# Altium PCB APP_EMILE.PcbDoc (part 1 of 6) (continued)
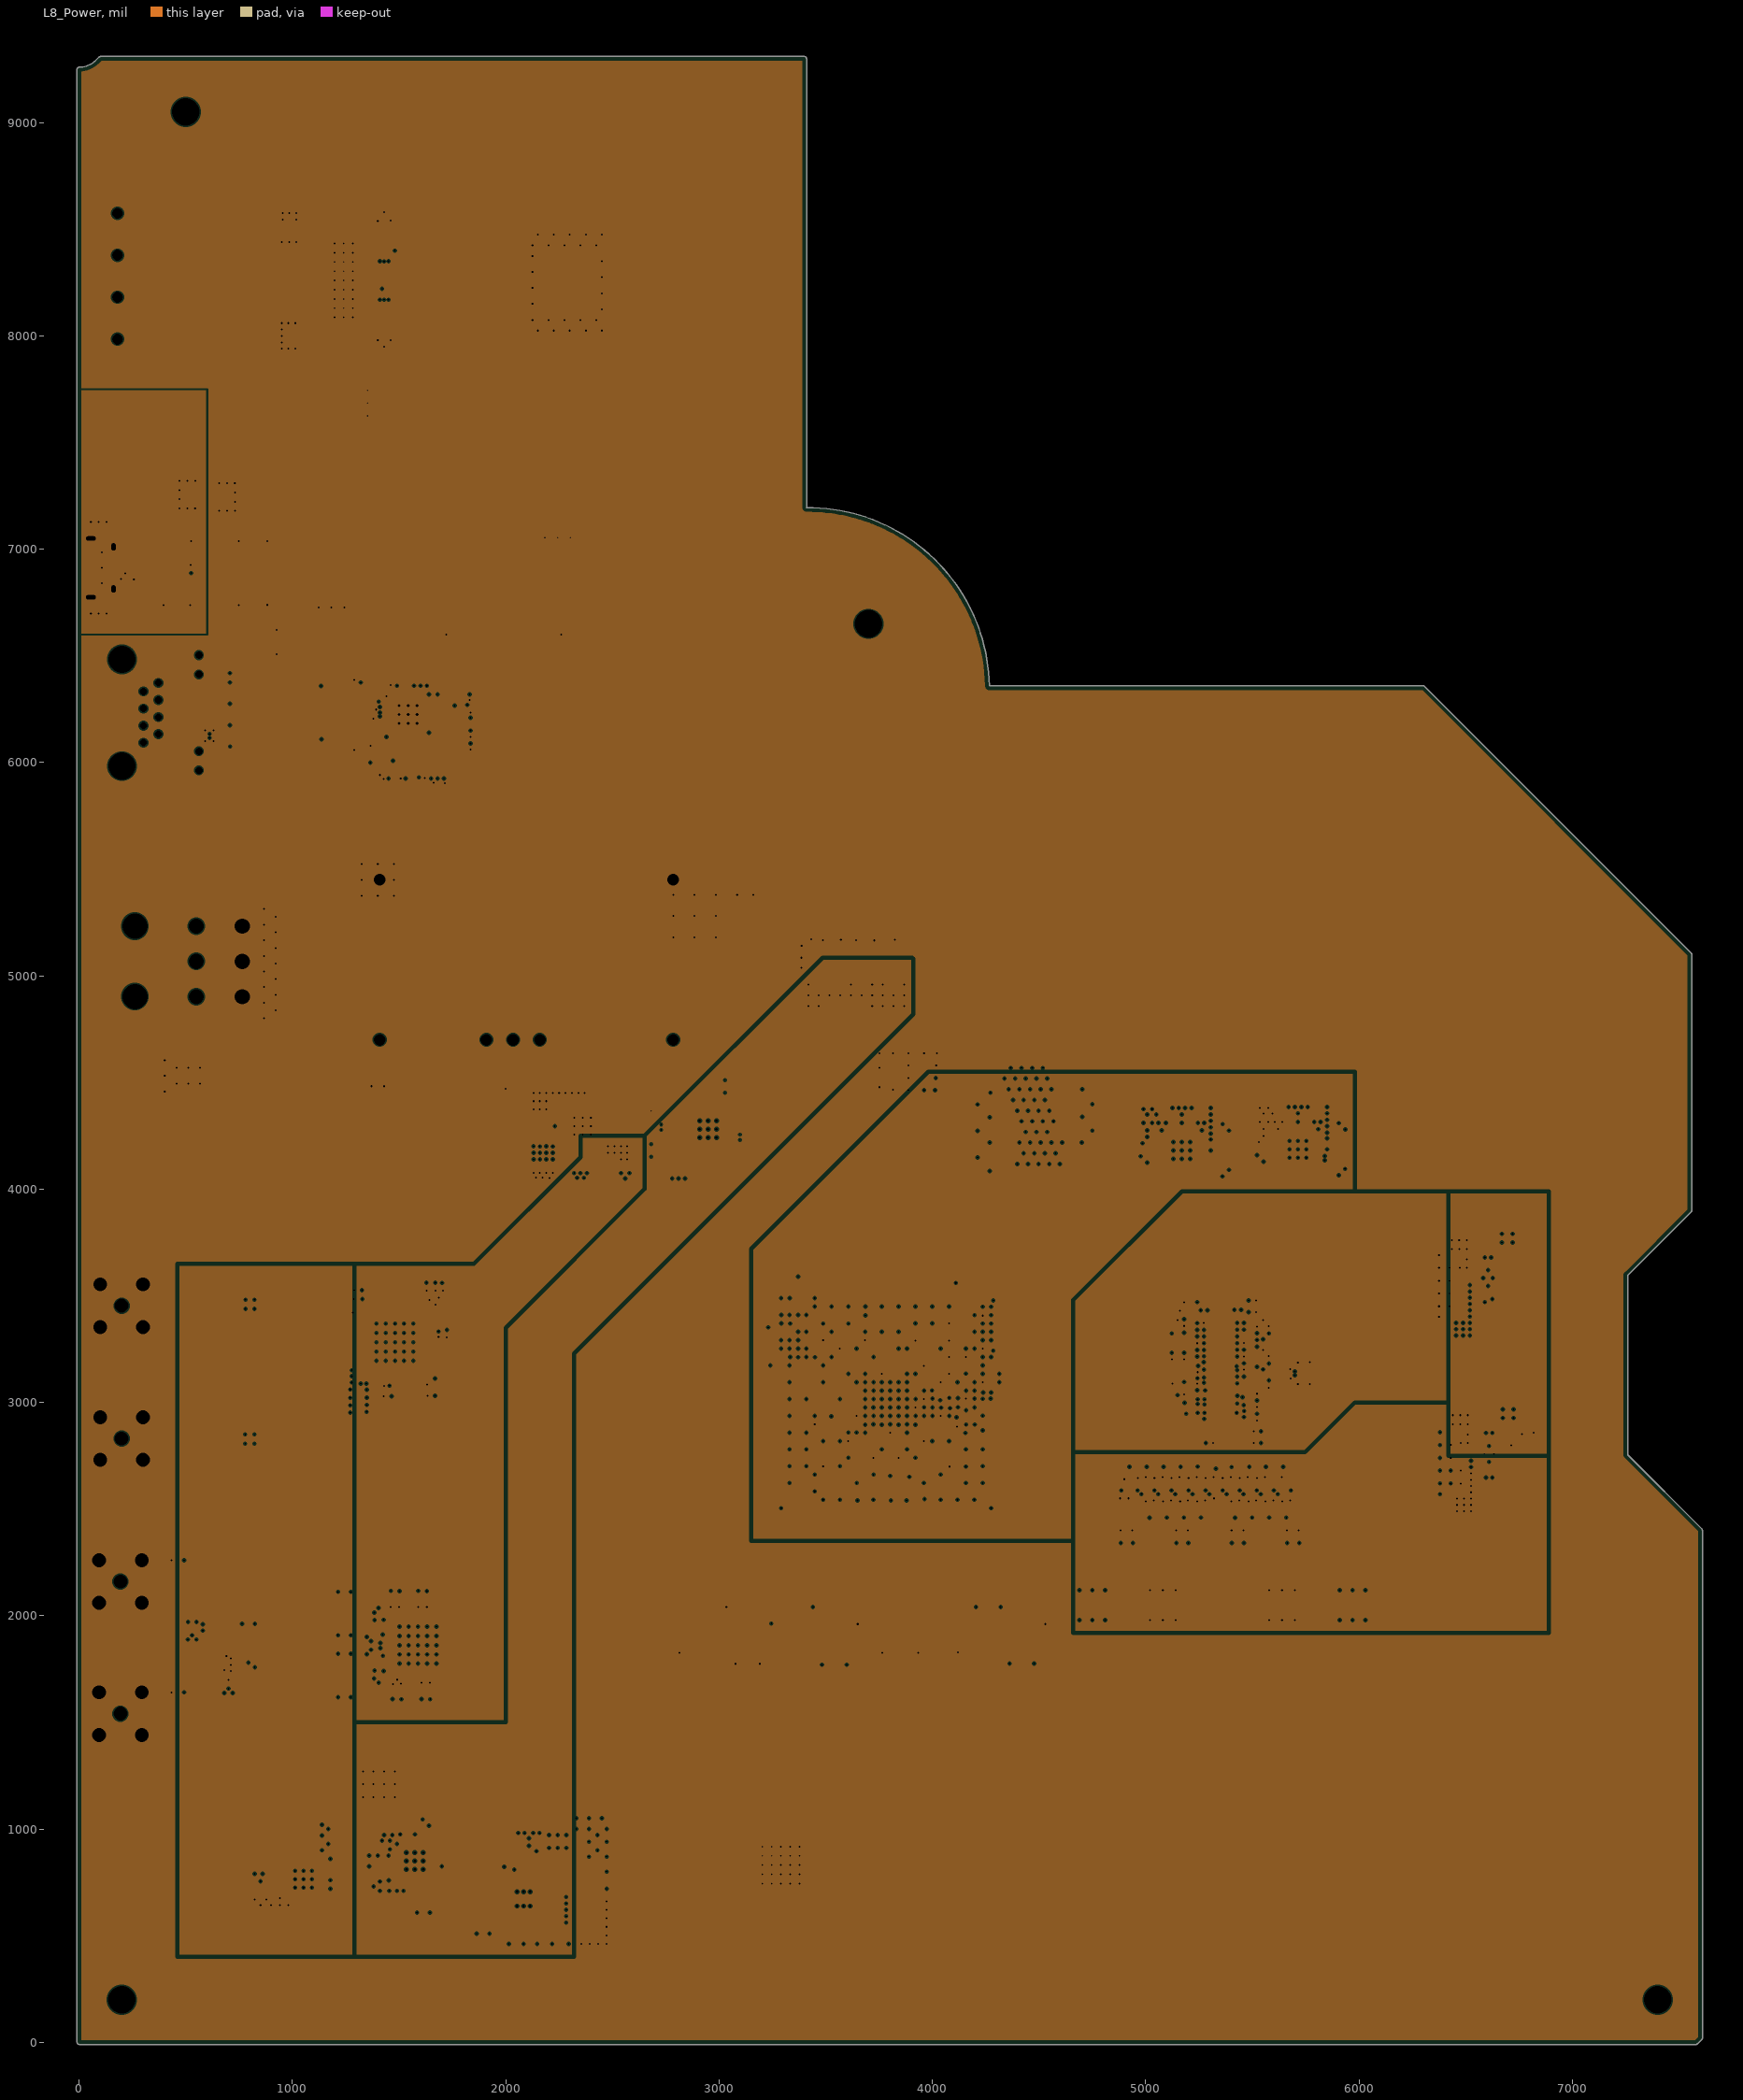
[diagram p8: L8_Power, clearances drawn from the general rule]
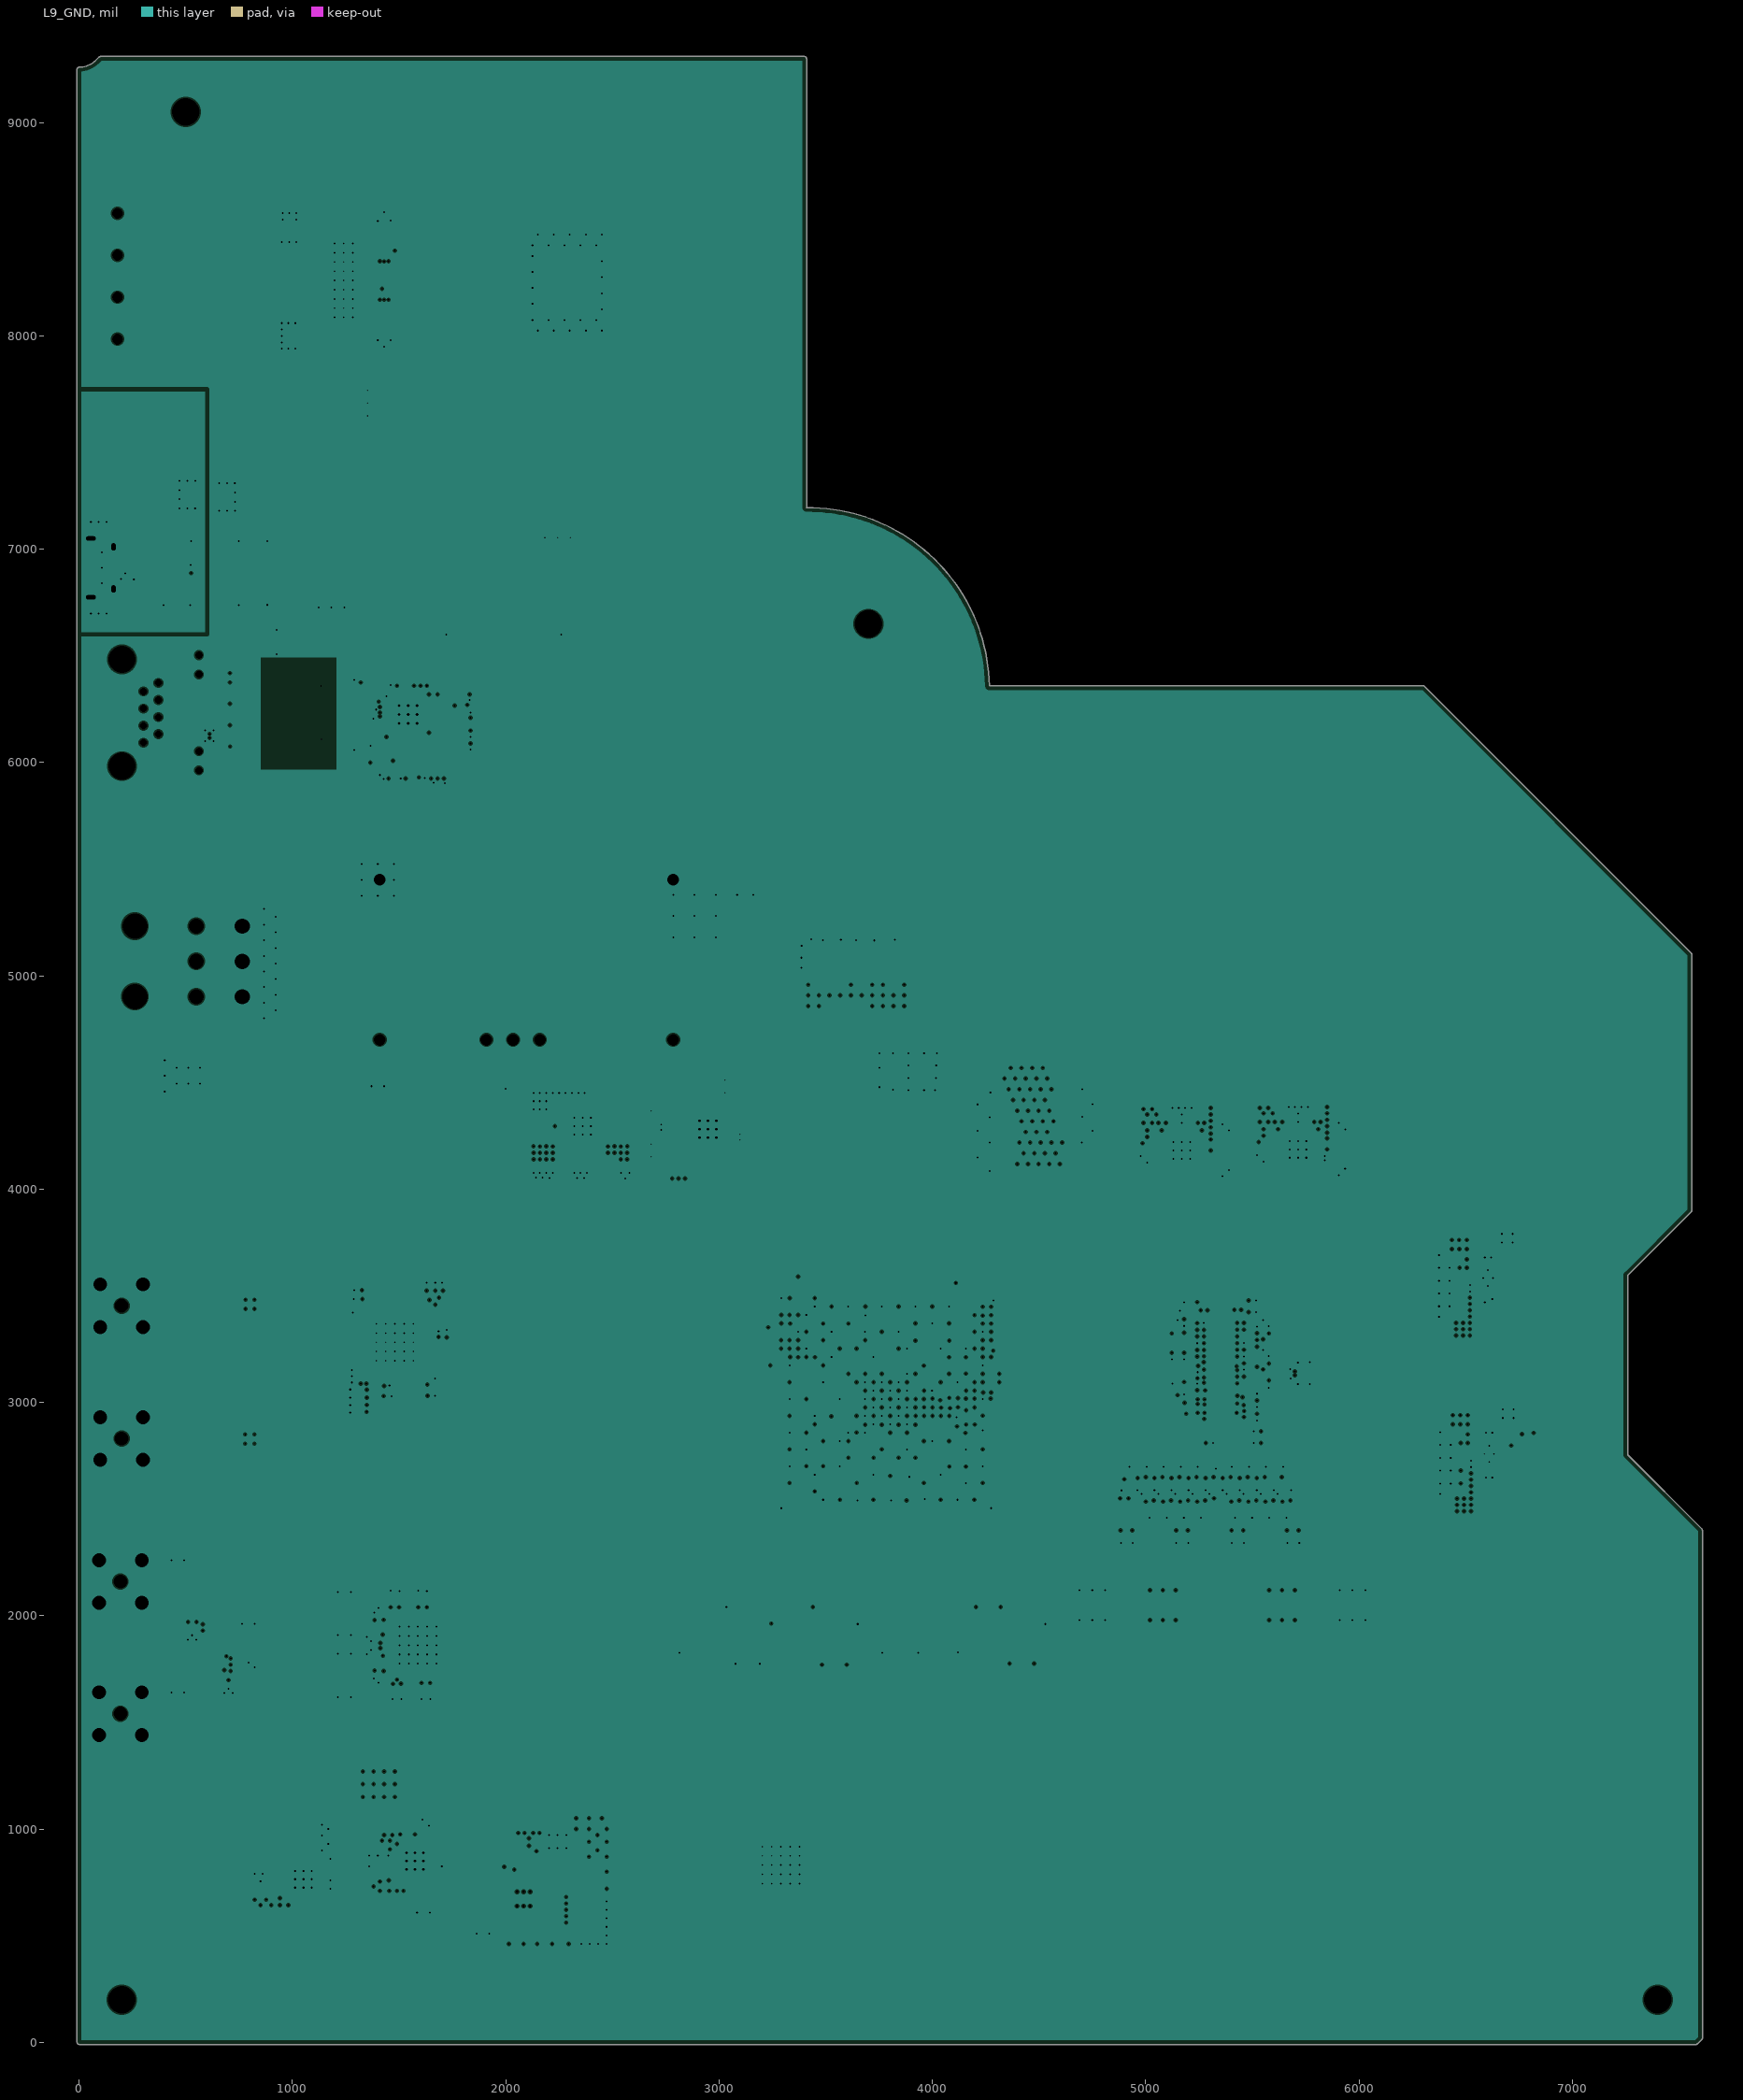
[diagram p9: L9_GND, clearances drawn from the general rule]
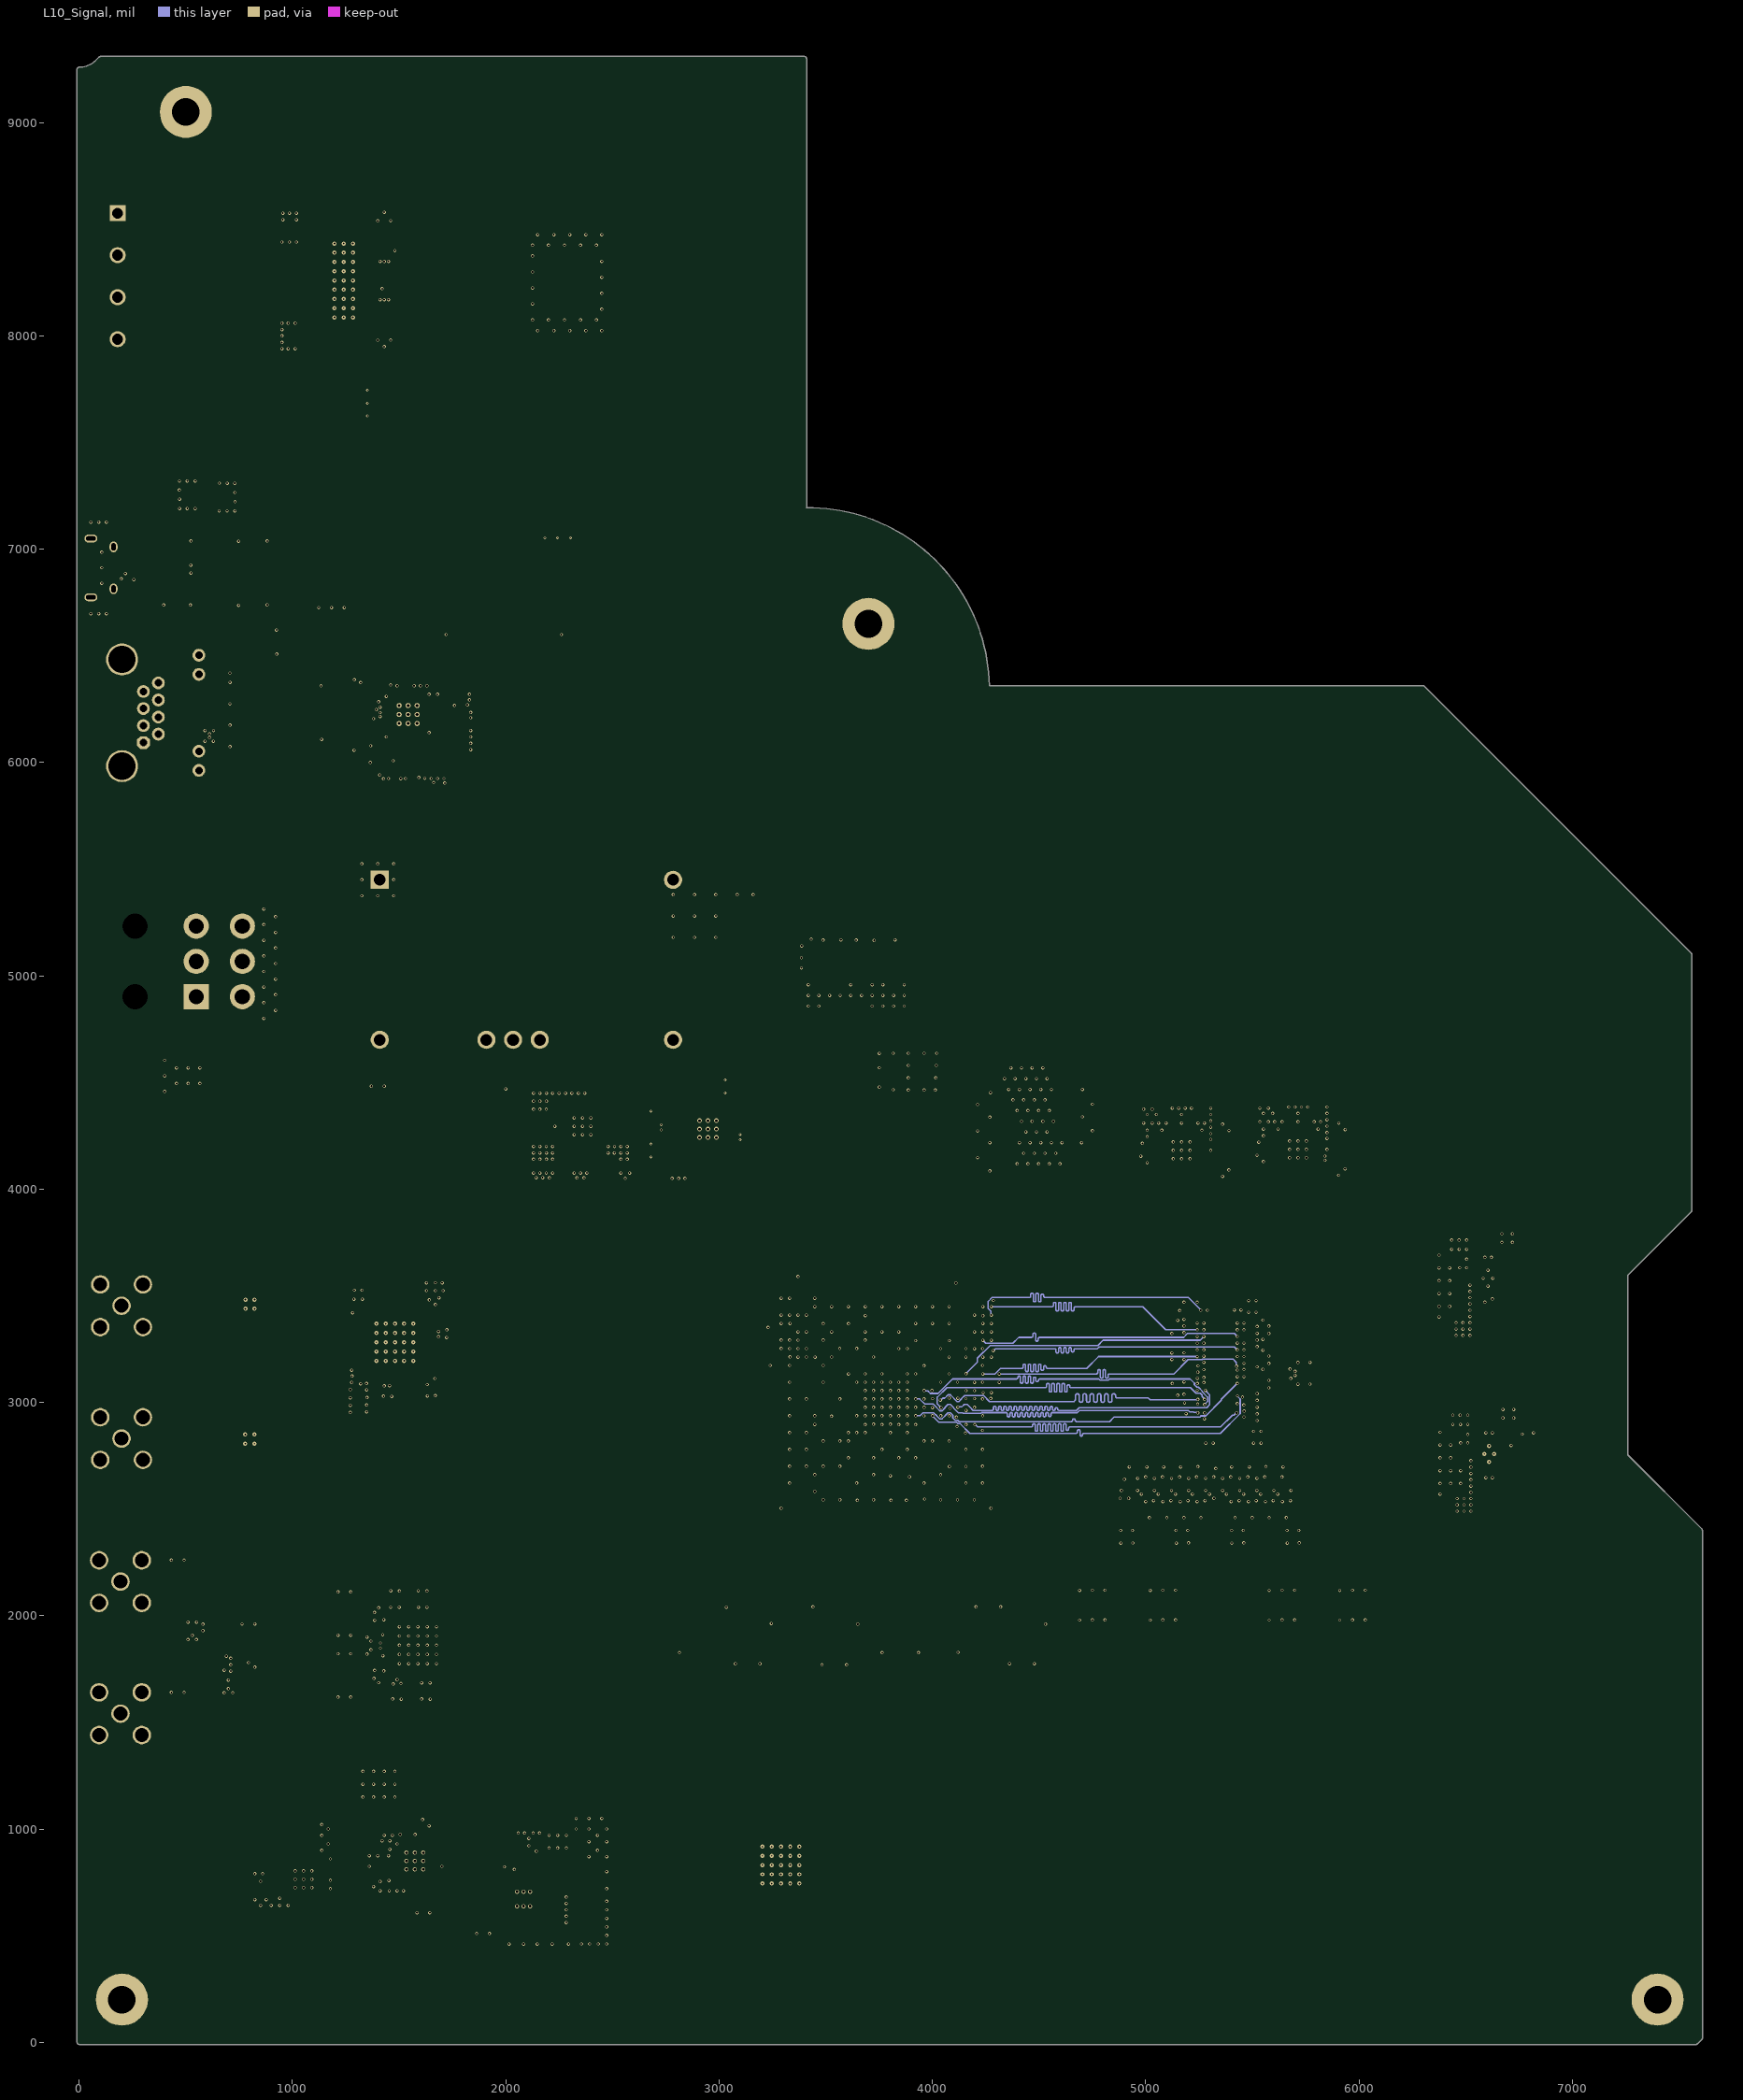
[diagram p10: L10_Signal]
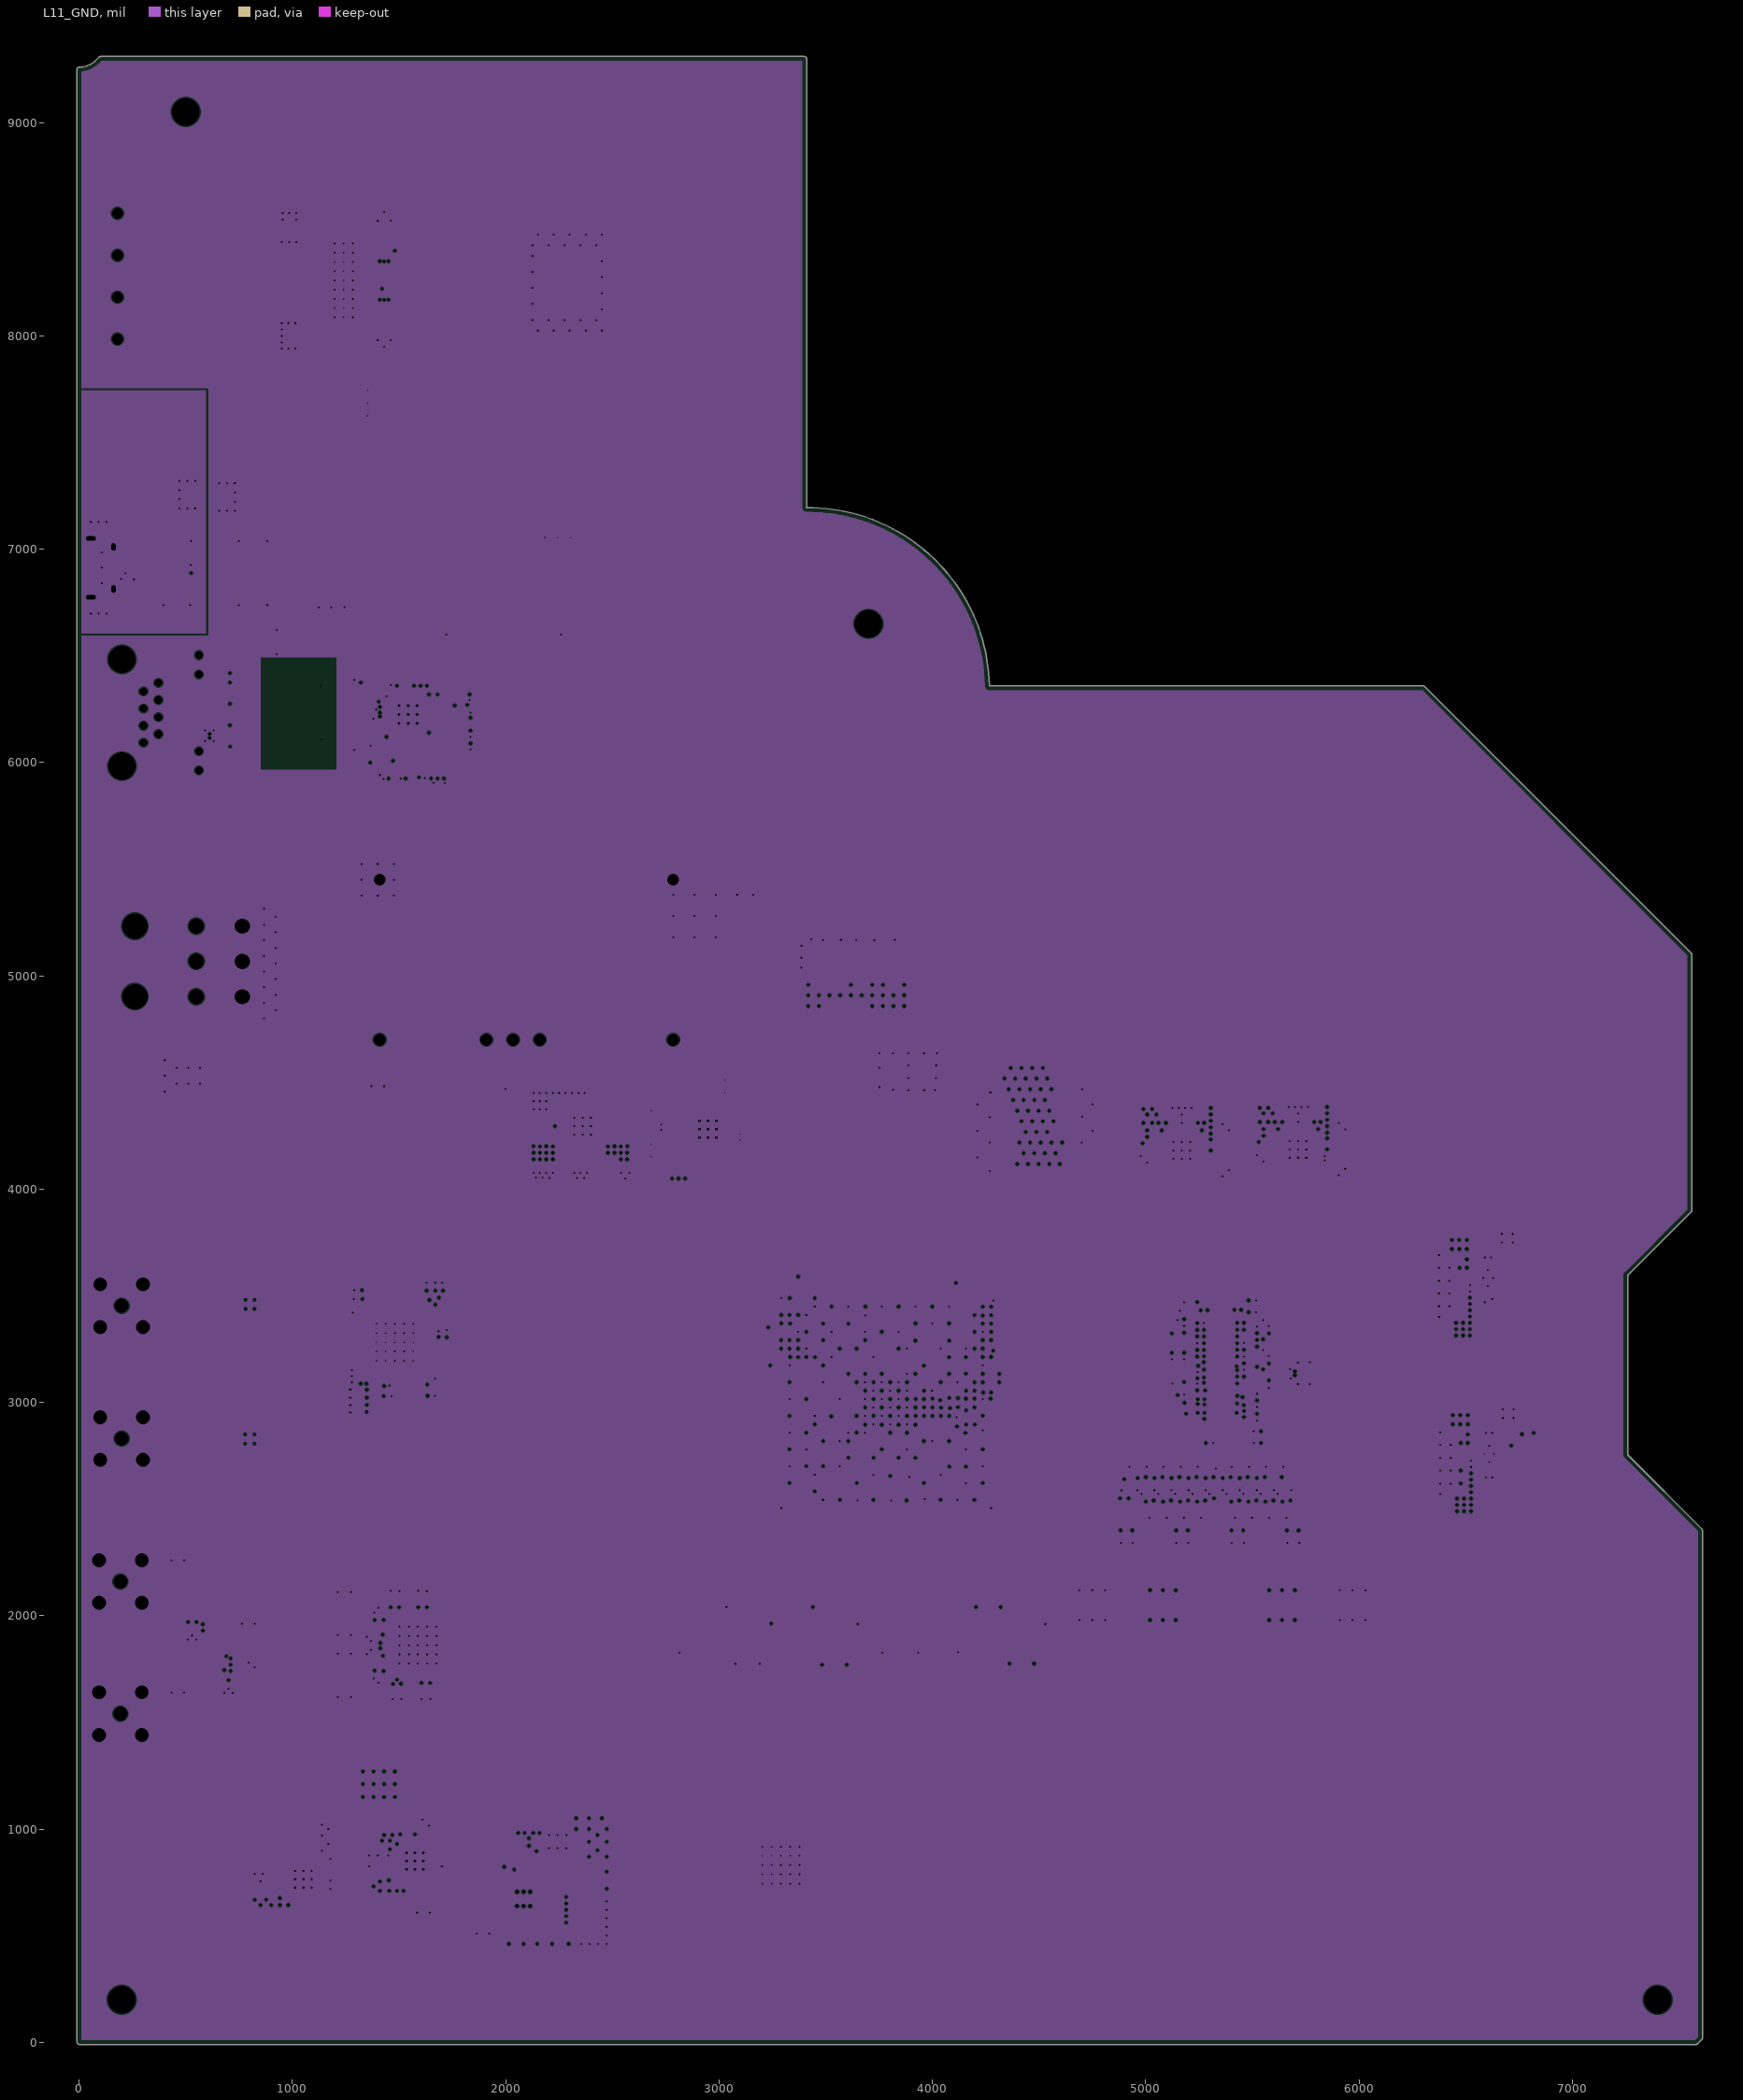
[diagram p11: L11_GND, clearances drawn from the general rule]

## Layer stack, top to bottom
Top Solder: solder mask 0.4, Solder Resist, Dk 3.5
L1_Signal: signal copper 0.689
Dielectric 10: prepreg 6, PP-006, Dk 4.6
L2_GND: plane copper 0.689, net (Multiple Nets)
Dielectric 2: core 6, PP-006, Dk 4.6
L3_Signal: signal copper 0.689
Dielectric 6: prepreg 6, PP-006, Dk 4.6
L4_GND: plane copper 0.689, net (Multiple Nets)
Dielectric 8: core 6, PP-006, Dk 4.6
L5_Power: plane copper 0.689, net (Multiple Nets)
Dielectric 4: prepreg 6, PP-006, Dk 4.6
L6_GND: plane copper 0.689, net (Multiple Nets)
Dielectric 1: core 6, FR-4, Dk 4.6
L7_GND: plane copper 0.689, net (Multiple Nets)
Dielectric 5: prepreg 6, PP-006, Dk 4.6
L8_Power: plane copper 0.689, net (Multiple Nets)
Dielectric 9: core 6, PP-006, Dk 4.6
L9_GND: plane copper 0.689, net (Multiple Nets)
Dielectric 7: prepreg 6, PP-006, Dk 4.6
L10_Signal: signal copper 0.689
Dielectric 3: core 6, PP-006, Dk 4.6
L11_GND: plane copper 0.689, net (Multiple Nets)
Dielectric 11: prepreg 6, PP-006, Dk 4.6
L12_Signal: signal copper 0.689
Bottom Solder: solder mask 0.4, Solder Resist, Dk 3.5

## Board outline
-10.01,0 ccw(c0,0) 0,-10.01 7580,-10.01 ccw(c7580,0) 7587.08,-7.08 7607.08,12.92 ccw(c7600,20) 7610.02,20 7610.02,2400 ccw(c7600,2400) 7607.08,2407.08 7260.02,2754.15 7260.02,3595.85 7557.08,3892.92 ccw(c7550,3900) 7560.02,3900 7560.02,5100 ccw(c7550,5100) 7557.08,5107.08 6307.08,6357.08 ccw(c6300,6350) 6300,6360.02 4266.9,6360.02 ccw(c3415.63,6343.6) 3409.92,7195.01 3410.01,7196.41 3410.01,9300 ccw(c3400,9300) 3400,9310.02 100,9310.02 ccw(c100,9300) 92.92,9307.08 78.27,9292.44 cw(c0,9370.71) 0,9260.02 ccw(c0,9250) -10.01,9250

## Design rules (kind name [scope] priority, off if disabled: settings)
Clearance [All] p1: gap=3 ignorepadtopadclearanceinfootprint=FALSE
ComponentClearance [All] p1: gap=4 collisioncheckmode=3 verticalgap=4 showdistances=FALSE
DiffPairsRouting diff_USB [InDifferentialPairClass('USB')] p1: maxlimit=10 minlimit=4 mostfreqgap=10 toplayer_mingap=5 toplayer_maxgap=5 toplayer_prefgap=5 toplayer_minwidth=8.34 toplayer_maxwidth=8.34 toplayer_prefwidth=8.34 bottomlayer_mingap=5 bottomlayer_maxgap=5 bottomlayer_prefgap=5 bottomlayer_minwidth=8.34 bottomlayer_maxwidth=8.34 bottomlayer_prefwidth=8.34 impedanceprofiledriven=TRUE impedanceprofileid={50AFB291-5A7E-4056-A16F-6751C119E0CE} impedanceprofilevalue=90.000000 maxuncoupledlength=500
DiffPairsRouting diff_ETH [InDifferentialPairClass('ETH')] p2: maxlimit=5 minlimit=5 mostfreqgap=5 toplayer_minwidth=6.53 toplayer_maxwidth=6.53 toplayer_prefwidth=6.53 midlayer3_minwidth=2.94 midlayer3_maxwidth=2.94 midlayer3_prefwidth=2.94 midlayer10_minwidth=2.94 midlayer10_maxwidth=2.94 midlayer10_prefwidth=2.94 bottomlayer_minwidth=6.53 bottomlayer_maxwidth=6.53 bottomlayer_prefwidth=6.53 impedanceprofiledriven=TRUE impedanceprofileid={879D8725-AB5A-4F30-8401-D49E7EC4A728} impedanceprofilevalue=100.000000 maxuncoupledlength=500
DiffPairsRouting Diff_Bottom [OnLayer('Bottom')] p3: maxlimit=10 minlimit=4 mostfreqgap=10 toplayer_minwidth=15 toplayer_maxwidth=15 toplayer_prefwidth=15 midlayer3_minwidth=15 midlayer3_maxwidth=15 midlayer3_prefwidth=15 midlayer10_minwidth=15 midlayer10_maxwidth=15 midlayer10_prefwidth=15 bottomlayer_minwidth=4 bottomlayer_maxwidth=4 bottomlayer_prefwidth=4 impedanceprofiledriven=TRUE maxuncoupledlength=500
DiffPairsRouting Diff_Internal_80 [OnLayer('Signal 40 1')] p4: maxlimit=10 minlimit=4 mostfreqgap=10 toplayer_minwidth=15 toplayer_maxwidth=15 toplayer_prefwidth=15 midlayer3_minwidth=15 midlayer3_maxwidth=15 midlayer3_prefwidth=15 midlayer10_minwidth=15 midlayer10_maxwidth=15 midlayer10_prefwidth=15 bottomlayer_minwidth=15 bottomlayer_maxwidth=15 bottomlayer_prefwidth=15 maxuncoupledlength=500
DiffPairsRouting Diff_Internal_80_2 [InNetClass('DDR3_CLK')] p5: maxlimit=5 minlimit=5 mostfreqgap=5 midlayer3_minwidth=4 midlayer3_maxwidth=5.38 midlayer3_prefwidth=5.38 midlayer10_minwidth=4 midlayer10_maxwidth=5.38 midlayer10_prefwidth=5.38 impedanceprofiledriven=TRUE impedanceprofileid={E23D6FB4-8907-44A9-BE3D-3F2E3A096027} impedanceprofilevalue=80.000000 maxuncoupledlength=500
DiffPairsRouting Diff_Internal_100 [OnLayer('Signal 50 1')] p6: maxlimit=10 minlimit=4 mostfreqgap=10 toplayer_minwidth=15 toplayer_maxwidth=15 toplayer_prefwidth=15 midlayer3_minwidth=15 midlayer3_maxwidth=15 midlayer3_prefwidth=15 midlayer10_minwidth=15 midlayer10_maxwidth=15 midlayer10_prefwidth=15 bottomlayer_minwidth=15 bottomlayer_maxwidth=15 bottomlayer_prefwidth=15 impedanceprofiledriven=TRUE maxuncoupledlength=500
HoleSize [All] p1: absolutevalues=TRUE maxlimit=1000 minlimit=4 maxpercent=80.000 minpercent=20.000
HoleToHoleClearance [All] p1: gap=10 allowstackedmicrovias=FALSE
MatchedLengths MatchedLengths_DDR3_A [InNetClass('DDR3_A[0..13]')    OR   InNetClass('DDR3_BA')] p1: tolerance=50 checknetsindiffpair=FALSE checkdiffpairvsdiffpair=TRUE checkxsignals=TRUE checkothers=TRUE
MatchedLengths MatchedLengths_DDR3_DQ [InNetClass('DDR3_DQ[0..16]')] p2: tolerance=50 checknetsindiffpair=FALSE checkdiffpairvsdiffpair=TRUE checkxsignals=TRUE checkothers=TRUE
MinimumSolderMaskSliver [All] p1: minsoldermaskwidth=4
PlaneClearance [All] p1: clearance=6
PlaneConnect [All] p1: pad.planeconnectstyle=Relief pad.reliefexpansion=20 pad.reliefentries=4 pad.reliefconductorwidth=10 pad.reliefairgap=10 via.planeconnectstyle=Direct via.reliefexpansion=20 via.reliefentries=4 via.reliefconductorwidth=10 via.reliefairgap=10
PolygonConnect PolygonDirect [InComponent('J3') or InComponent('U1')] p1: connectstyle=Direct reliefconductorwidth=10 reliefentries=4 polygonreliefangle="90 Angle" airgapwidth=10
PolygonConnect [All] p2: thpad.connectstyle=Relief thpad.reliefconductorwidth=10 thpad.reliefentries=4 thpad.polygonreliefangle="90 Angle" thpad.airgapwidth=10 smdpad.connectstyle=Direct smdpad.reliefconductorwidth=10 smdpad.reliefentries=4 smdpad.polygonreliefangle="90 Angle" smdpad.airgapwidth=10 via.connectstyle=Direct via.reliefconductorwidth=10 via.reliefentries=4 via.polygonreliefangle="90 Angle" via.airgapwidth=10
RoutingVias [All] p1: holewidth=9 width=15 viastyle="Through Hole" minholewidth=9 minwidth=15 maxholewidth=10 maxwidth=20